# Allegro board Learn.brd (continued)
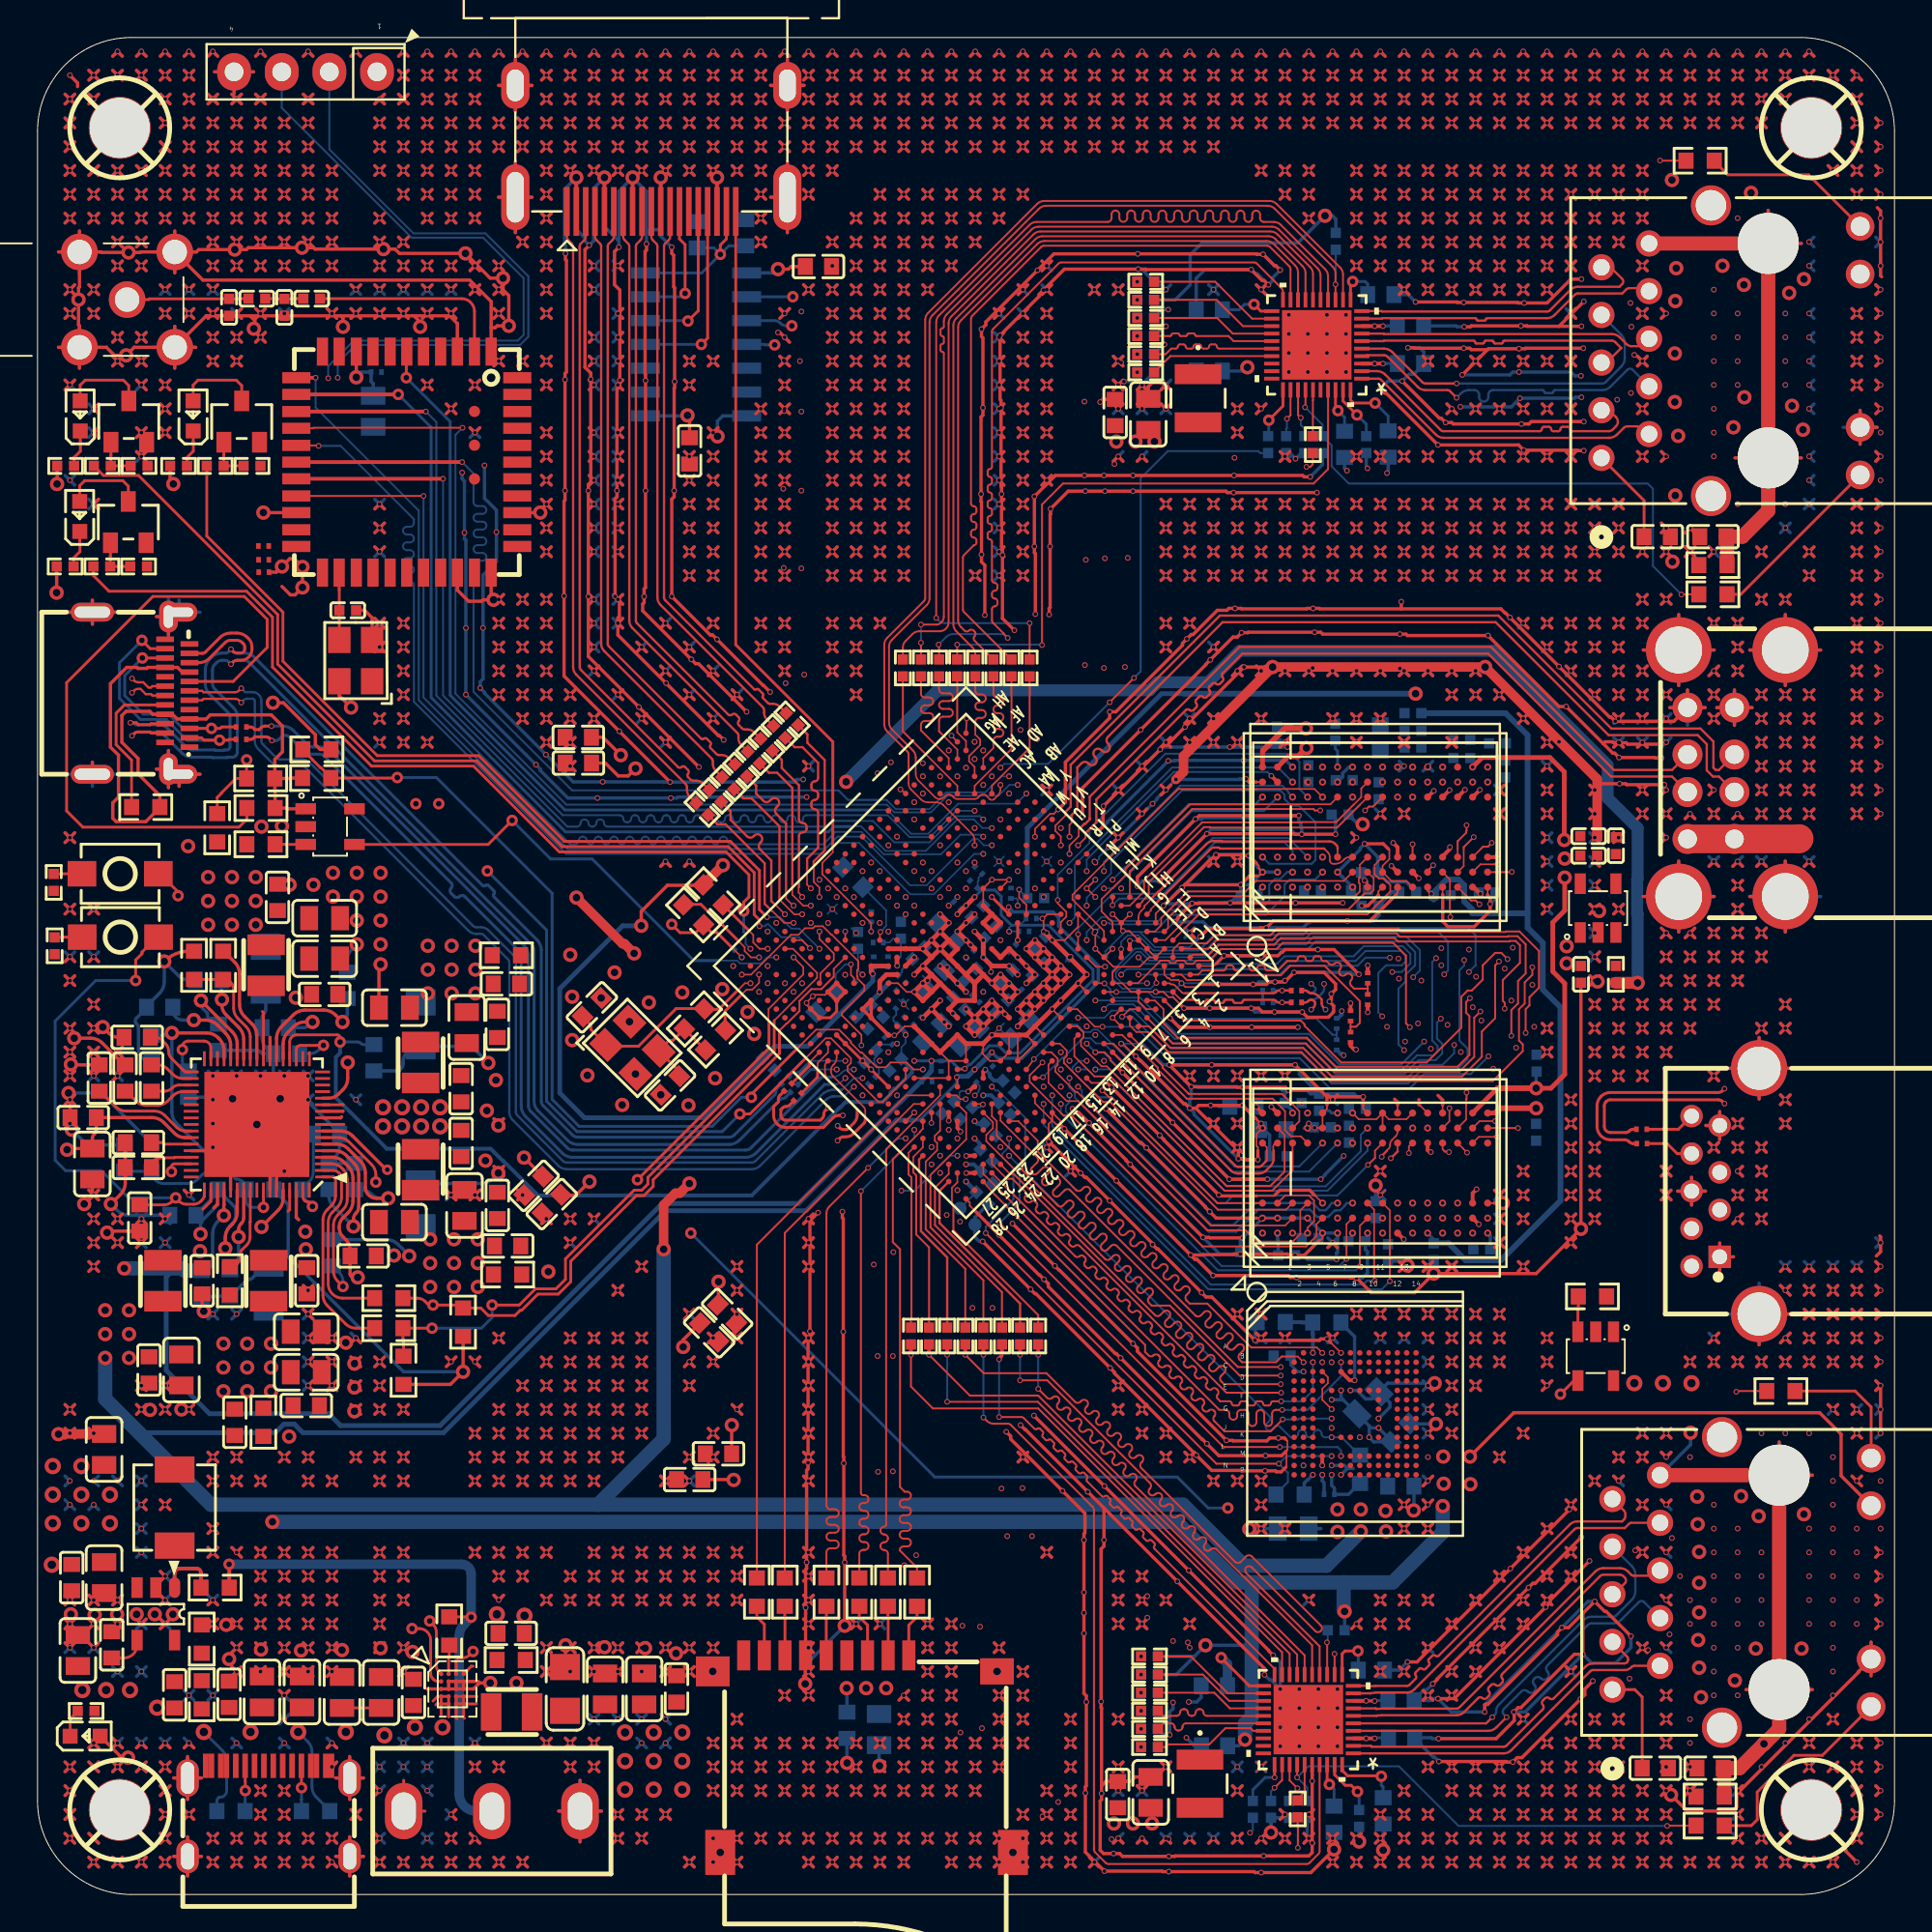
[diagram p0: board, top side]
## Routing (per net, layer and track width the routed paths; a pad name or vN(x,y) marks a point on that pad's centre or on a via; arc(x,y) is an arc through that point) (continued)
; v1(32.2,93.16) 32.46,92.91 ; v1(32.2,93.16) 32.46,93.42 ; v1(32.2,93.16) 31.95,93.42 ; 49.73,7.82 v1(49.98,8.07) ; v1(49.98,8.07) 50.24,7.82 ; v1(49.98,8.07) 49.73,8.33 ; v1(49.98,8.07) 50.24,8.33 ; 77.67,88.34 v1(77.92,88.08) ; v1(77.92,88.08) 77.67,87.83 ; v1(77.92,88.08) 78.18,87.83 ; v1(77.92,88.08) 78.18,88.34 ; 12.9,88.34 v1(13.15,88.08) ; v1(13.15,88.08) 13.41,87.83 ; v1(13.15,88.08) 12.9,87.83 ; v1(13.15,88.08) 13.41,88.34 ; v1(24.58,29.66) 24.84,29.41 ; v1(24.58,29.66) 24.33,29.92 ; v1(24.58,29.66) 24.84,29.92 ; v1(24.58,29.66) 24.33,29.41 ; 9.09,1.98 v1(9.34,1.72) ; v1(9.34,1.72) 9.09,1.47 ; v1(9.34,1.72) 9.6,1.47 ; v1(9.34,1.72) 9.6,1.98 ; 81.48,73.1 v1(81.73,72.84) ; v1(81.73,72.84) 81.48,72.59 ; v1(81.73,72.84) 81.99,73.1 ; v1(81.73,72.84) 81.99,72.59 ; 52.27,95.45 v1(52.52,95.7) ; v1(52.52,95.7) 52.78,95.45 ; v1(52.52,95.7) 52.27,95.96 ; v1(52.52,95.7) 52.78,95.96 ; 95.45,28.65 v1(95.7,28.39) ; v1(95.7,28.39) 95.45,28.14 ; v1(95.7,28.39) 95.96,28.65 ; v1(95.7,28.39) 95.96,28.14 ; 92.91,97.99 v1(93.16,98.24) ; v1(93.16,98.24) 92.91,98.5 ; v1(93.16,98.24) 93.42,98.5 ; v1(93.16,98.24) 93.42,97.99 ; v1(70.3,94.43) 70.56,94.18 ; v1(70.3,94.43) 70.05,94.18 ; v1(70.3,94.43) 70.56,94.69 ; v1(70.3,94.43) 70.05,94.69 ; 23.06,93.42 v1(23.31,93.16) ; v1(23.31,93.16) 23.57,92.91 ; v1(23.31,93.16) 23.06,92.91 ; v1(23.31,93.16) 23.57,93.42 ; 29.41,91.64 v1(29.66,91.89) ; v1(29.66,91.89) 29.92,92.15 ; v1(29.66,91.89) 29.92,91.64 ; v1(29.66,91.89) 29.41,92.15 ; 14.17,93.42 v1(14.42,93.16) ; v1(14.42,93.16) 14.17,92.91 ; v1(14.42,93.16) 14.68,92.91 ; v1(14.42,93.16) 14.68,93.42 ; v1(74.11,19.5) 74.37,19.25 ; v1(74.11,19.5) 73.86,19.76 ; v1(74.11,19.5) 73.86,19.25 ; v1(74.11,19.5) 74.37,19.76 ; 70.05,31.19 v1(70.3,30.93) ; v1(70.3,30.93) 70.56,31.19 ; v1(70.3,30.93) 70.05,30.68 ; v1(70.3,30.93) 70.56,30.68 ; v1(48.71,5.53) 48.97,5.79 ; v1(48.71,5.53) 48.46,5.79 ; v1(48.71,5.53) 48.97,5.28 ; v1(48.71,5.53) 48.46,5.28 ; 43.38,78.18 v1(43.63,77.92) ; v1(43.63,77.92) 43.89,77.67 ; v1(43.63,77.92) 43.89,78.18 ; v1(43.63,77.92) 43.38,77.67 ; 66.24,70.05 v1(66.49,70.3) ; v1(66.49,70.3) 66.24,70.56 ; v1(66.49,70.3) 66.75,70.05 ; v1(66.49,70.3) 66.75,70.56 ; v1(18.23,1.72) 18.49,1.98 ; v1(18.23,1.72) 18.49,1.47 ; v1(18.23,1.72) 17.98,1.98 ; v1(18.23,1.72) 17.98,1.47 ; 24.33,92.91 v1(24.58,93.16) ; v1(24.58,93.16) 24.84,93.42 ; v1(24.58,93.16) 24.33,93.42 ; v1(24.58,93.16) 24.84,92.91 ; v1(29.66,74.11) 29.92,73.86 ; v1(29.66,74.11) 29.41,74.37 ; v1(29.66,74.11) 29.41,73.86 ; v1(29.66,74.11) 29.92,74.37 ; 73.86,20.52 v1(74.11,20.77) ; v1(74.11,20.77) 74.37,21.03 ; v1(74.11,20.77) 73.86,21.03 ; v1(86.81,24.58) 87.07,24.33 ; v1(86.81,24.58) 87.07,24.84 ; v1(86.81,24.58) 86.56,24.33 ; v1(86.81,24.58) 86.56,24.84 ; v1(96.97,63.95) 97.23,64.21 ; v1(96.97,63.95) 97.23,63.7 ; v1(96.97,63.95) 96.72,63.7 ; v1(96.97,63.95) 96.72,64.21 ; v1(6.8,16.96) 7.06,16.71 ; v1(6.8,16.96) 6.55,17.22 ; v1(6.8,16.96) 6.55,16.71 ; v1(6.8,16.96) 7.06,17.22 ; 5.28,89.61 v1(5.53,89.35) ; v1(5.53,89.35) 5.79,89.61 ; v1(5.53,89.35) 5.28,89.1 ; v1(5.53,89.35) 5.79,89.1 ; 73.86,26.11 v1(74.11,25.85) ; v1(74.11,25.85) 74.37,26.11 ; v1(74.11,25.85) 74.37,25.6 ; v1(74.11,25.85) 73.86,25.6 ; v1(44.9,8.07) 45.16,8.33 ; v1(44.9,8.07) 44.65,7.82 ; v1(44.9,8.07) 45.16,7.82 ; v1(44.9,8.07) 44.65,8.33 ; v1(58.87,15.69) 59.13,15.95 ; v1(58.87,15.69) 58.62,15.95 ; v1(58.87,15.69) 58.62,15.44 ; v1(58.87,15.69) 59.13,15.44 ; 33.22,9.6 v1(33.47,9.34) ; v1(33.47,9.34) 33.73,9.6 ; v1(33.47,9.34) 33.73,9.09 ; 85.29,89.61 v1(85.54,89.35) ; v1(85.54,89.35) 85.8,89.1 ; v1(85.54,89.35) 85.29,89.1 ; v1(85.54,89.35) 85.8,89.61 ; 89.1,63.7 v1(89.35,63.95) ; v1(89.35,63.95) 89.61,63.7 ; v1(89.35,63.95) 89.61,64.21 ; v1(89.35,63.95) 89.1,64.21 ; 12.9,86.56 v1(13.15,86.81) ; v1(13.15,86.81) 13.41,86.56 ; v1(13.15,86.81) 13.41,87.07 ; v1(13.15,86.81) 12.9,87.07 ; 61.16,12.9 v1(61.41,13.15) ; v1(61.41,13.15) 61.67,12.9 ; v1(61.41,13.15) 61.16,13.41 ; 80.21,15.95 v1(80.46,15.69) ; v1(80.46,15.69) 80.72,15.95 ; v1(80.46,15.69) 80.72,15.44 ; v1(80.46,15.69) 80.21,15.44 ; 78.94,62.94 v1(79.19,62.68) ; v1(79.19,62.68) 78.94,62.43 ; v1(79.19,62.68) 79.45,62.94 ; v1(79.19,62.68) 79.45,62.43 ; v1(75.38,98.24) 75.64,97.99 ; v1(75.38,98.24) 75.64,98.5 ; v1(75.38,98.24) 75.13,98.5 ; v1(75.38,98.24) 75.13,97.99 ; v1(41.09,25.85) 41.35,26.11 ; v1(41.09,25.85) 40.84,26.11 ; v1(41.09,25.85) 40.84,25.6 ; v1(41.09,25.85) 41.35,25.6 ; 42.11,67.51 v1(42.36,67.76) ; v1(42.36,67.76) 42.62,68.02 ; v1(42.36,67.76) 42.62,67.51 ; v1(42.36,67.76) 42.11,68.02 ; v1(44.9,98.24) 45.16,97.99 ; v1(44.9,98.24) 45.16,98.5 ; v1(44.9,98.24) 44.65,98.5 ; v1(44.9,98.24) 44.65,97.99 ; 80.21,97.99 v1(80.46,98.24) ; v1(80.46,98.24) 80.72,97.99 ; v1(80.46,98.24) 80.21,98.5 ; v1(80.46,98.24) 80.72,98.5 ; v1(83,36.01) 83.26,36.27 ; v1(83,36.01) 82.75,35.76 ; v1(83,36.01) 83.26,35.76 ; v1(83,36.01) 82.75,36.27 ; v1(33.47,15.69) 33.73,15.44 ; v1(33.47,15.69) 33.22,15.95 ; v1(33.47,15.69) 33.22,15.44 ; v1(33.47,15.69) 33.73,15.95 ; 85.29,13.41 v1(85.54,13.15) ; v1(85.54,13.15) 85.8,12.9 ; v1(85.54,13.15) 85.29,12.9 ; v1(85.54,13.15) 85.8,13.41 ; v1(71.57,96.97) 71.83,97.23 ; v1(71.57,96.97) 71.32,96.72 ; v1(71.57,96.97) 71.32,97.23 ; v1(71.57,96.97) 71.83,96.72 ; 86.56,21.03 v1(86.81,20.77) ; v1(86.81,20.77) 86.56,20.52 ; v1(86.81,20.77) 87.07,21.03 ; v1(86.81,20.77) 87.07,20.52 ; v1(42.36,80.46) 42.62,80.21 ; v1(42.36,80.46) 42.11,80.21 ; v1(42.36,80.46) 42.11,80.72 ; v1(42.36,80.46) 42.62,80.72 ; v1(27.12,88.08) 27.38,87.83 ; v1(27.12,88.08) 26.87,88.34 ; v1(27.12,88.08) 26.87,87.83 ; v1(27.12,88.08) 27.38,88.34 ; 82.75,89.1 v1(83,89.35) ; v1(83,89.35) 83.26,89.61 ; v1(83,89.35) 82.75,89.61 ; v1(83,89.35) 83.26,89.1 ; v1(6.8,15.69) 7.06,15.95 ; v1(6.8,15.69) 6.55,15.95 ; v1(6.8,15.69) 7.06,15.44 ; v1(6.8,15.69) 6.55,15.44 ; 14.17,31.19 v1(14.42,30.93) ; v1(14.42,30.93) 14.68,30.68 ; v1(14.42,30.93) 14.17,30.68 ; v1(14.42,30.93) 14.68,31.19 ; v1(33.47,91.89) 33.73,91.64 ; v1(33.47,91.89) 33.73,92.15 ; v1(33.47,91.89) 33.22,92.15 ; v1(33.47,91.89) 33.22,91.64 ; 17.98,92.15 v1(18.23,91.89) ; v1(18.23,91.89) 18.49,91.64 ; v1(18.23,91.89) 17.98,91.64 ; v1(18.23,91.89) 18.49,92.15 ; 57.35,81.48 v1(57.6,81.73) ; v1(57.6,81.73) 57.86,81.48 ; v1(57.6,81.73) 57.35,81.99 ; v1(57.6,81.73) 57.86,81.99 ; v1(94.43,61.41) 94.69,61.67 ; v1(94.43,61.41) 94.69,61.16 ; v1(94.43,61.41) 94.18,61.16 ; v1(94.43,61.41) 94.18,61.67 ; 44.65,3.25 v1(44.9,2.99) ; v1(44.9,2.99) 44.65,2.74 ; v1(44.9,2.99) 45.16,3.25 ; v1(44.9,2.99) 45.16,2.74 ; 49.73,1.47 v1(49.98,1.72) ; v1(49.98,1.72) 50.24,1.98 ; v1(49.98,1.72) 49.73,1.98 ; v1(49.98,1.72) 50.24,1.47 ; v1(46.17,79.19) 46.43,78.94 ; v1(46.17,79.19) 46.43,79.45 ; v1(46.17,79.19) 45.92,78.94 ; v1(46.17,79.19) 45.92,79.45 ; 86.56,1.98 v1(86.81,1.72) ; v1(86.81,1.72) 87.07,1.47 ; v1(86.81,1.72) 86.56,1.47 ; v1(86.81,1.72) 87.07,1.98 ; 3.25,21.79 v1(2.99,22.04) 3.25,22.3 ; v1(19.5,86.81) 19.76,86.56 ; v1(19.5,86.81) 19.76,87.07 ; v1(19.5,86.81) 19.25,87.07 ; v1(19.5,86.81) 19.25,86.56 ; v1(70.3,65.22) 70.56,64.97 ; v1(70.3,65.22) 70.05,64.97 ; v1(70.3,65.22) 70.56,65.48 ; v1(70.3,65.22) 70.05,65.48 ; 94.18,98.5 v1(94.43,98.24) ; v1(94.43,98.24) 94.69,98.5 ; v1(94.43,98.24) 94.69,97.99 ; v1(94.43,98.24) 94.18,97.99 ; 35.76,70.56 v1(36.01,70.3) ; v1(36.01,70.3) 35.76,70.05 ; v1(36.01,70.3) 36.27,70.56 ; v1(36.01,70.3) 36.27,70.05 ; 75.13,97.23 v1(75.38,96.97) ; v1(75.38,96.97) 75.13,96.72 ; v1(75.38,96.97) 75.64,97.23 ; v1(75.38,96.97) 75.64,96.72 ; v1(65.22,19.5) 65.48,19.25 ; v1(65.22,19.5) 64.97,19.25 ; v1(65.22,19.5) 64.97,19.76 ; v1(65.22,19.5) 65.48,19.76 ; v1(60.14,23.31) 60.4,23.57 ; v1(60.14,23.31) 60.4,23.06 ; v1(60.14,23.31) 59.89,23.57 ; v1(60.14,23.31) 59.89,23.06 ; v1(41.09,22.04) 41.35,22.3 ; v1(41.09,22.04) 41.35,21.79 ; v1(41.09,22.04) 40.84,21.79 ; v1(41.09,22.04) 40.84,22.3 ; 67.51,72.59 v1(67.76,72.84) ; v1(67.76,72.84) 68.02,73.1 ; v1(67.76,72.84) 68.02,72.59 ; v1(67.76,72.84) 67.51,73.1 ; v1(77.92,16.96) 78.18,16.71 ; v1(77.92,16.96) 77.67,16.71 ; v1(77.92,16.96) 78.18,17.22 ; v1(77.92,16.96) 77.67,17.22 ; v1(81.73,20.77) 81.99,21.03 ; v1(81.73,20.77) 81.48,21.03 ; v1(81.73,20.77) 81.99,20.52 ; v1(81.73,20.77) 81.48,20.52 ; 45.92,94.18 v1(46.17,94.43) ; v1(46.17,94.43) 46.43,94.18 ; v1(46.17,94.43) 46.43,94.69 ; v1(46.17,94.43) 45.92,94.69 ; v1(90.62,57.6) 90.88,57.35 ; v1(90.62,57.6) 90.37,57.35 ; v1(90.62,57.6) 90.88,57.86 ; v1(90.62,57.6) 90.37,57.86 ; 30.68,24.33 v1(30.93,24.58) ; v1(30.93,24.58) 31.19,24.84 ; v1(30.93,24.58) 30.68,24.84 ; v1(30.93,24.58) 31.19,24.33 ; 53.54,81.99 v1(53.79,81.73) ; v1(53.79,81.73) 54.05,81.48 ; v1(53.79,81.73) 54.05,81.99 ; v1(53.79,81.73) 53.54,81.48 ; v1(19.5,67.76) 19.76,68.02 ; v1(19.5,67.76) 19.76,67.51 ; v1(19.5,67.76) 19.25,67.51 ; v1(19.5,67.76) 19.25,68.02 ; 86.56,13.41 v1(86.81,13.15) ; v1(86.81,13.15) 87.07,13.41 ; v1(86.81,13.15) 86.56,12.9 ; v1(86.81,13.15) 87.07,12.9 ; v1(98.24,86.81) 98.5,87.07 ; v1(98.24,86.81) 97.99,87.07 ; v1(98.24,86.81) 98.5,86.56 ; v1(98.24,86.81) 97.99,86.56 ; v1(98.24,18.23) 98.5,17.98 ; v1(98.24,18.23) 98.5,18.49 ; v1(98.24,18.23) 97.99,17.98 ; v1(98.24,18.23) 97.99,18.49 ; v1(56.33,94.43) 56.59,94.18 ; v1(56.33,94.43) 56.59,94.69 ; v1(56.33,94.43) 56.08,94.69 ; v1(56.33,94.43) 56.08,94.18 ; v1(24.58,67.76) 24.84,68.02 ; v1(24.58,67.76) 24.33,68.02 ; v1(24.58,67.76) 24.33,67.51 ; v1(24.58,67.76) 24.84,67.51 ; v1(86.81,61.41) 87.07,61.16 ; v1(86.81,61.41) 86.56,61.16 ; v1(86.81,61.41) 87.07,61.67 ; v1(86.81,61.41) 86.56,61.67 ; v1(65.22,43.63) 65.48,43.89 ; v1(65.22,43.63) 64.97,43.38 ; v1(65.22,43.63) 64.97,43.89 ; v1(65.22,43.63) 65.48,43.38 ; v1(13.15,93.16) 13.41,92.91 ; v1(13.15,93.16) 12.9,93.42 ; v1(13.15,93.16) 12.9,92.91 ; v1(13.15,93.16) 13.41,93.42 ; v1(23.31,28.39) 23.57,28.65 ; v1(23.31,28.39) 23.57,28.14 ; v1(23.31,28.39) 23.06,28.65 ; 10.36,89.61 v1(10.61,89.35) ; v1(10.61,89.35) 10.36,89.1 ; v1(10.61,89.35) 10.87,89.61 ; v1(10.61,89.35) 10.87,89.1 ; 39.57,98.5 v1(39.82,98.24) ; v1(39.82,98.24) 39.57,97.99 ; v1(39.82,98.24) 40.08,97.99 ; v1(39.82,98.24) 40.08,98.5 ; v1(51.25,76.65) 51.51,76.4 ; v1(51.25,76.65) 51,76.91 ; v1(51.25,76.65) 51.51,76.91 ; v1(51.25,76.65) 51,76.4 ; v1(52.52,79.19) 52.78,79.45 ; v1(52.52,79.19) 52.27,79.45 ; v1(52.52,79.19) 52.78,78.94 ; v1(52.52,79.19) 52.27,78.94 ; 21.79,78.94 v1(22.04,79.19) ; v1(22.04,79.19) 22.3,78.94 ; v1(22.04,79.19) 21.79,79.45 ; v1(22.04,79.19) 22.3,79.45 ; 52.27,4.01 v1(52.52,4.26) ; v1(52.52,4.26) 52.27,4.52 ; v1(52.52,4.26) 52.78,4.01 ; v1(52.52,4.26) 52.78,4.52 ; 84.02,92.15 v1(84.27,91.89) ; v1(84.27,91.89) 84.53,91.64 ; v1(84.27,91.89) 84.02,91.64 ; v1(84.27,91.89) 84.53,92.15 ; v1(10.61,88.08) 10.87,87.83 ; v1(10.61,88.08) 10.87,88.34 ; v1(10.61,88.08) 10.36,87.83 ; v1(10.61,88.08) 10.36,88.34 ; 97.99,63.7 v1(98.24,63.95) ; v1(98.24,63.95) 98.5,64.21 ; v1(98.24,63.95) 98.5,63.7 ; v1(98.24,63.95) 97.99,64.21 ; 26.87,27.38 v1(27.12,27.12) ; v1(27.12,27.12) 27.38,26.87 ; v1(27.12,27.12) 27.38,27.38 ; v1(27.12,27.12) 26.87,26.87 ; v1(32.2,96.97) 32.46,97.23 ; v1(32.2,96.97) 32.46,96.72 ; v1(32.2,96.97) 31.95,97.23 ; v1(32.2,96.97) 31.95,96.72 ; 85.29,68.02 v1(85.54,67.76) ; v1(85.54,67.76) 85.8,67.51 ; v1(85.54,67.76) 85.8,68.02 ; v1(85.54,67.76) 85.29,67.51 ; v1(85.54,62.68) 85.8,62.94 ; v1(85.54,62.68) 85.8,62.43 ; v1(85.54,62.68) 85.29,62.43 ; v1(85.54,62.68) 85.29,62.94 ; 59.89,95.96 v1(60.14,95.7) ; v1(60.14,95.7) 60.4,95.96 ; v1(60.14,95.7) 59.89,95.45 ; v1(60.14,95.7) 60.4,95.45 ; 20.52,96.72 v1(20.77,96.97) ; v1(20.77,96.97) 20.52,97.23 ; v1(20.77,96.97) 21.03,96.72 ; v1(20.77,96.97) 21.03,97.23 ; 4.01,15.44 v1(4.26,15.69) ; v1(4.26,15.69) 4.52,15.95 ; v1(4.26,15.69) 4.52,15.44 ; v1(4.26,15.69) 4.01,15.95 ; 40.84,28.14 v1(41.09,28.39) ; v1(41.09,28.39) 41.35,28.65 ; v1(41.09,28.39) 41.35,28.14 ; v1(41.09,28.39) 40.84,28.65 ; v1(29.66,22.04) 29.92,21.79 ; v1(29.66,22.04) 29.41,21.79 ; v1(29.66,22.04) 29.41,22.3 ; v1(29.66,22.04) 29.92,22.3 ; 1.47,24.84 v1(1.72,24.58) ; v1(1.72,24.58) 1.98,24.33 ; v1(1.72,24.58) 1.47,24.33 ; v1(1.72,24.58) 1.98,24.84 ; v1(20.77,98.24) 21.03,98.5 ; v1(20.77,98.24) 21.03,97.99 ; v1(20.77,98.24) 20.52,97.99 ; v1(20.77,98.24) 20.52,98.5 ; v1(29.66,11.88) 29.92,11.63 ; v1(29.66,11.88) 29.41,12.14 ; v1(29.66,11.88) 29.41,11.63 ; v1(29.66,11.88) 29.92,12.14 ; 38.3,7.82 v1(38.55,8.07) ; v1(38.55,8.07) 38.81,7.82 ; v1(38.55,8.07) 38.81,8.33 ; v1(38.55,8.07) 38.3,8.33 ; 10.36,95.45 v1(10.61,95.7) ; v1(10.61,95.7) 10.36,95.96 ; v1(10.61,95.7) 10.87,95.45 ; v1(10.61,95.7) 10.87,95.96 ; U1.1 8.74,6.21 ; U1.1 8,5.07 ; U1.1 7.26,6.21 ; U1.1 8,7.35 ; 43.38,65.48 v1(43.63,65.22) ; v1(43.63,65.22) 43.38,64.97 ; v1(43.63,65.22) 43.89,65.48 ; v1(43.63,65.22) 43.89,64.97 ; 9.09,81.99 v1(9.34,81.73) ; v1(9.34,81.73) 9.6,81.48 ; v1(9.34,81.73) 9.09,81.48 ; v1(9.34,81.73) 9.6,81.99 ; 90.37,51 v1(90.62,51.25) ; v1(90.62,51.25) 90.88,51 ; v1(90.62,51.25) 90.88,51.51 ; v1(90.62,51.25) 90.37,51.51 ; v1(30.93,32.2) 31.19,31.95 ; v1(30.93,32.2) 30.68,32.46 ; v1(30.93,32.2) 30.68,31.95 ; v1(30.93,32.2) 31.19,32.46 ; 10.36,92.15 v1(10.61,91.89) ; v1(10.61,91.89) 10.87,92.15 ; v1(10.61,91.89) 10.36,91.64 ; v1(10.61,91.89) 10.87,91.64 ; 57.35,26.87 v1(57.6,27.12) ; v1(57.6,27.12) 57.86,26.87 ; v1(57.6,27.12) 57.35,27.38 ; v1(57.6,27.12) 57.86,27.38 ; v1(5.53,19.5) 5.79,19.76 ; v1(5.53,19.5) 5.28,19.25 ; v1(5.53,19.5) 5.79,19.25 ; v1(5.53,19.5) 5.28,19.76 ; 30.68,97.23 v1(30.93,96.97) ; v1(30.93,96.97) 31.19,97.23 ; v1(30.93,96.97) 30.68,96.72 ; v1(30.93,96.97) 31.19,96.72 ; v1(79.19,86.81) 79.45,86.56 ; v1(79.19,86.81) 78.94,86.56 ; v1(79.19,86.81) 78.94,87.07 ; v1(79.19,86.81) 79.45,87.07 ; v1(34.74,28.39) 35,28.65 ; v1(34.74,28.39) 35,28.14 ; v1(34.74,28.39) 34.49,28.14 ; 81.48,2.74 v1(81.73,2.99) ; v1(81.73,2.99) 81.99,3.25 ; v1(81.73,2.99) 81.48,3.25 ; v1(81.73,2.99) 81.99,2.74 ; 66.24,73.86 v1(66.49,74.11) ; v1(66.49,74.11) 66.24,74.37 ; v1(66.49,74.11) 66.75,74.37 ; v1(66.49,74.11) 66.75,73.86 ; 64.97,71.83 v1(65.22,71.57) ; v1(65.22,71.57) 65.48,71.32 ; v1(65.22,71.57) 65.48,71.83 ; v1(65.22,71.57) 64.97,71.32 ; 86.56,76.91 v1(86.81,76.65) 86.56,76.4 ; 70.05,88.34 v1(70.3,88.08) ; v1(70.3,88.08) 70.56,87.83 ; v1(70.3,88.08) 70.05,87.83 ; v1(70.3,88.08) 70.56,88.34 ; 78.94,70.56 v1(79.19,70.3) ; v1(79.19,70.3) 79.45,70.05 ; v1(79.19,70.3) 79.45,70.56 ; v1(79.19,70.3) 78.94,70.05 ; v1(72.84,65.22) 73.1,65.48 ; v1(72.84,65.22) 72.59,65.48 ; v1(72.84,65.22) 73.1,64.97 ; v1(72.84,65.22) 72.59,64.97 ; 43.38,83.26 v1(43.63,83) ; v1(43.63,83) 43.89,82.75 ; v1(43.63,83) 43.89,83.26 ; v1(43.63,83) 43.38,82.75 ; v1(19.5,62.68) 19.76,62.43 ; v1(19.5,62.68) 19.76,62.94 ; v1(19.5,62.68) 19.25,62.43 ; v1(19.5,62.68) 19.25,62.94 ; 97.99,80.21 v1(98.24,80.46) ; v1(98.24,80.46) 97.99,80.72 ; v1(98.24,80.46) 98.5,80.72 ; v1(98.24,80.46) 98.5,80.21 ; 45.92,5.79 v1(46.17,5.53) ; v1(46.17,5.53) 46.43,5.28 ; v1(46.17,5.53) 45.92,5.28 ; v1(46.17,5.53) 46.43,5.79 ; 34.49,70.56 v1(34.74,70.3) ; v1(34.74,70.3) 35,70.05 ; v1(34.74,70.3) 34.49,70.05 ; v1(34.74,70.3) 35,70.56 ; 28.14,61.16 v1(28.39,61.41) ; v1(28.39,61.41) 28.65,61.16 ; v1(28.39,61.41) 28.14,61.67 ; v1(28.39,61.41) 28.65,61.67 ; 96.72,58.62 v1(96.97,58.87) ; v1(96.97,58.87) 97.23,58.62 ; v1(96.97,58.87) 97.23,59.13 ; v1(96.97,58.87) 96.72,59.13 ; 75.13,27.38 v1(75.38,27.12) ; v1(75.38,27.12) 75.64,26.87 ; v1(75.38,27.12) 75.13,26.87 ; v1(75.38,27.12) 75.64,27.38 ; v1(75.38,70.3) 75.64,70.05 ; v1(75.38,70.3) 75.13,70.05 ; v1(75.38,70.3) 75.13,70.56 ; v1(75.38,70.3) 75.64,70.56 ; v1(91.89,58.87) 92.15,58.62 ; v1(91.89,58.87) 91.64,58.62 ; v1(91.89,58.87) 92.15,59.13 ; v1(91.89,58.87) 91.64,59.13 ; 86.56,45.92 v1(86.81,46.17) ; v1(86.81,46.17) 87.07,46.43 ; v1(86.81,46.17) 87.07,45.92 ; v1(86.81,46.17) 86.56,46.43 ; 78.94,14.68 v1(79.19,14.42) ; v1(79.19,14.42) 79.45,14.68 ; v1(79.19,14.42) 78.94,14.17 ; v1(79.19,14.42) 79.45,14.17 ; v1(76.65,4.26) 76.91,4.01 ; v1(76.65,4.26) 76.4,4.01 ; v1(76.65,4.26) 76.91,4.52 ; v1(76.65,4.26) 76.4,4.52 ; v1(65.22,85.54) 65.48,85.29 ; v1(65.22,85.54) 64.97,85.8 ; v1(65.22,85.54) 65.48,85.8 ; 67.51,4.01 v1(67.76,4.26) ; v1(67.76,4.26) 68.02,4.52 ; v1(67.76,4.26) 67.51,4.52 ; v1(67.76,4.26) 68.02,4.01 ; 80.21,1.98 v1(80.46,1.72) ; v1(80.46,1.72) 80.72,1.47 ; v1(80.46,1.72) 80.21,1.47 ; v1(80.46,1.72) 80.72,1.98 ; 28.14,94.69 v1(28.39,94.43) ; v1(28.39,94.43) 28.65,94.69 ; v1(28.39,94.43) 28.14,94.18 ; v1(28.39,94.43) 28.65,94.18 ; v1(71.57,70.3) 71.83,70.56 ; v1(71.57,70.3) 71.32,70.05 ; v1(71.57,70.3) 71.32,70.56 ; v1(71.57,70.3) 71.83,70.05 ; v1(83,56.33) 83.26,56.59 ; v1(83,56.33) 82.75,56.59 ; v1(83,56.33) 83.26,56.08 ; v1(83,56.33) 82.75,56.08 ; v1(47.44,8.07) 47.7,8.33 ; v1(47.44,8.07) 47.19,7.82 ; v1(47.44,8.07) 47.7,7.82 ; v1(47.44,8.07) 47.19,8.33 ; v1(52.52,84.27) 52.78,84.53 ; v1(52.52,84.27) 52.27,84.53 ; v1(52.52,84.27) 52.78,84.02 ; v1(52.52,84.27) 52.27,84.02 ; 81.48,40.84 v1(81.73,41.09) ; v1(81.73,41.09) 81.48,41.35 ; v1(81.73,41.09) 81.99,41.35 ; v1(81.73,41.09) 81.99,40.84 ; 70.05,97.99 v1(70.3,98.24) ; v1(70.3,98.24) 70.56,98.5 ; v1(70.3,98.24) 70.56,97.99 ; v1(70.3,98.24) 70.05,98.5 ; 40.84,97.99 v1(41.09,98.24) ; v1(41.09,98.24) 41.35,97.99 ; v1(41.09,98.24) 41.35,98.5 ; v1(41.09,98.24) 40.84,98.5 ; 12.9,10.36 v1(13.15,10.61) ; v1(13.15,10.61) 12.9,10.87 ; v1(13.15,10.61) 13.41,10.36 ; v1(13.15,10.61) 13.41,10.87 ; v1(75.38,25.85) 75.64,25.6 ; v1(75.38,25.85) 75.13,26.11 ; v1(75.38,25.85) 75.13,25.6 ; v1(75.38,25.85) 75.64,26.11 ; 42.11,1.98 v1(42.36,1.72) ; v1(42.36,1.72) 42.62,1.47 ; v1(42.36,1.72) 42.11,1.47 ; v1(42.36,1.72) 42.62,1.98 ; v1(94.43,58.87) 94.69,58.62 ; v1(94.43,58.87) 94.69,59.13 ; v1(94.43,58.87) 94.18,58.62 ; v1(94.43,58.87) 94.18,59.13 ; 37.03,18.49 v1(37.28,18.23) ; v1(37.28,18.23) 37.54,18.49 ; v1(37.28,18.23) 37.54,17.98 ; v1(37.28,18.23) 37.03,17.98 ; 20.52,84.53 v1(20.77,84.27) ; v1(20.77,84.27) 21.03,84.53 ; v1(20.77,84.27) 21.03,84.02 ; v1(20.77,84.27) 20.52,84.02 ; v1(60.14,72.84) 60.4,72.59 ; v1(60.14,72.84) 60.4,73.1 ; v1(60.14,72.84) 59.89,73.1 ; v1(60.14,72.84) 59.89,72.59 ; v1(72.84,71.57) 73.1,71.32 ; v1(72.84,71.57) 73.1,71.83 ; v1(72.84,71.57) 72.59,71.32 ; v1(72.84,71.57) 72.59,71.83 ; v1(85.54,4.26) 85.8,4.52 ; v1(85.54,4.26) 85.8,4.01 ; v1(85.54,4.26) 85.29,4.52 ; v1(85.54,4.26) 85.29,4.01 ; v1(1.72,93.16) 1.98,92.91 ; v1(1.72,93.16) 1.47,92.91 ; v1(1.72,93.16) 1.47,93.42 ; v1(1.72,93.16) 1.98,93.42 ; 1.47,14.17 v1(1.72,14.42) ; v1(1.72,14.42) 1.98,14.68 ; v1(1.72,14.42) 1.47,14.68 ; v1(1.72,14.42) 1.98,14.17 ; 11.63,84.02 v1(11.88,84.27) ; v1(11.88,84.27) 11.63,84.53 ; v1(11.88,84.27) 12.14,84.53 ; v1(11.88,84.27) 12.14,84.02 ; v1(89.35,28.39) 89.61,28.14 ; v1(89.35,28.39) 89.1,28.65 ; v1(89.35,28.39) 89.61,28.65 ; v1(89.35,28.39) 89.1,28.14 ; 16.71,26.87 v1(16.96,27.12) ; v1(16.96,27.12) 17.22,26.87 ; v1(16.96,27.12) 16.71,27.38 ; v1(16.96,27.12) 17.22,27.38 ; 2.74,44.65 v1(2.99,44.9) ; v1(2.99,44.9) 2.74,45.16 ; v1(2.99,44.9) 3.25,44.65 ; v1(2.99,44.9) 3.25,45.16 ; v1(29.66,69.03) 29.92,68.78 ; v1(29.66,69.03) 29.41,68.78 ; v1(29.66,69.03) 29.41,69.29 ; v1(29.66,69.03) 29.92,69.29 ; 38.3,91.64 v1(38.55,91.89) ; v1(38.55,91.89) 38.81,91.64 ; v1(38.55,91.89) 38.81,92.15 ; v1(38.55,91.89) 38.3,92.15 ; v1(42.36,72.84) 42.62,72.59 ; v1(42.36,72.84) 42.11,73.1 ; v1(42.36,72.84) 42.11,72.59 ; v1(42.36,72.84) 42.62,73.1 ; v1(11.88,83) 12.14,83.26 ; v1(11.88,83) 12.14,82.75 ; v1(11.88,83) 11.63,82.75 ; v1(11.88,83) 11.63,83.26 ; 4.01,87.07 v1(4.26,86.81) ; v1(4.26,86.81) 4.52,86.56 ; v1(4.26,86.81) 4.52,87.07 ; v1(4.26,86.81) 4.01,86.56 ; 45.92,1.47 v1(46.17,1.72) ; v1(46.17,1.72) 46.43,1.98 ; v1(46.17,1.72) 45.92,1.98 ; v1(46.17,1.72) 46.43,1.47 ; 17.98,27.38 v1(18.23,27.12) ; v1(18.23,27.12) 17.98,26.87 ; v1(18.23,27.12) 18.49,27.38 ; v1(18.23,27.12) 18.49,26.87 ; 77.67,35.76 v1(77.92,36.01) ; v1(77.92,36.01) 78.18,35.76 ; v1(77.92,36.01) 78.18,36.27 ; v1(77.92,36.01) 77.67,36.27 ; 95.45,1.98 v1(95.7,1.72) ; v1(95.7,1.72) 95.96,1.47 ; v1(95.7,1.72) 95.45,1.47 ; v1(95.7,1.72) 95.96,1.98 ; 43.38,14.17 